# Allegro board LAY-38820_A.brd (continued)
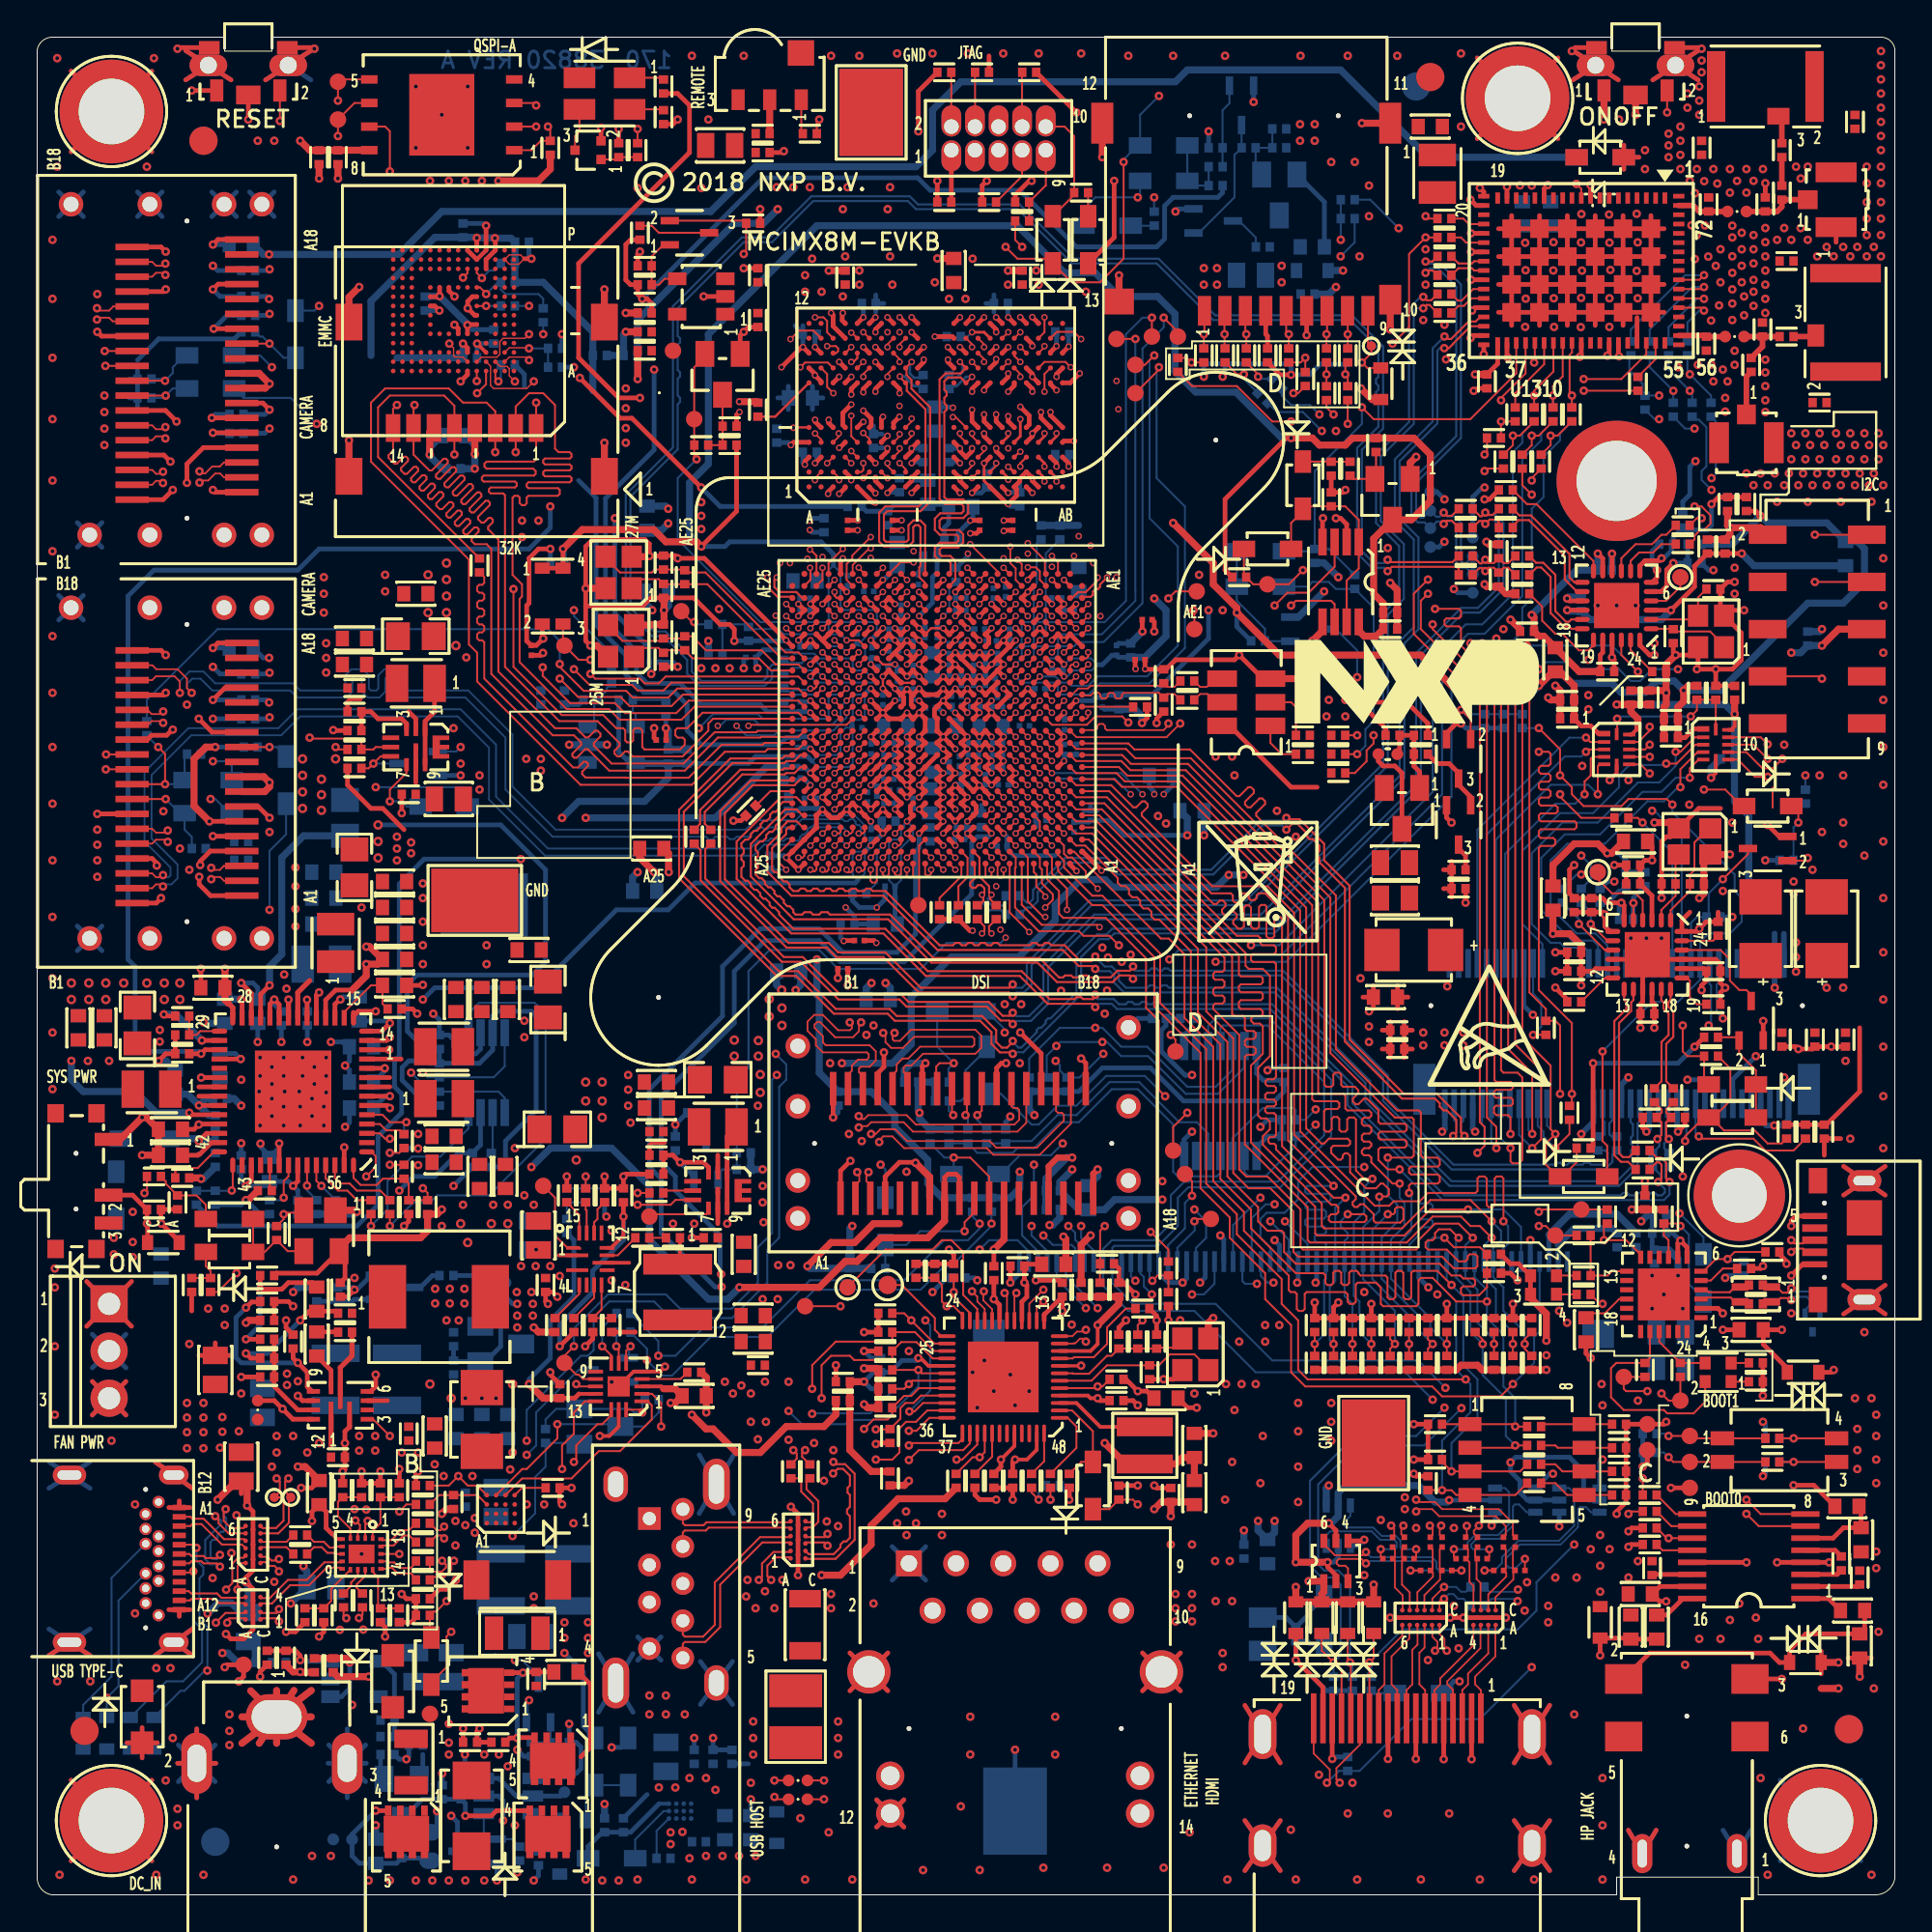
[diagram p0: board, top side]
## Footprints (pads in the part's own frame, mm; a bottom-side part is the same pattern mirrored in y, then rotated) (continued)
CON9_USBA_VER_7P32X25P7
  rect 1.219x1.219 hole 0.711: 1(0,0)
  round 1.219 hole 0.711: 2(0,-2.5) 3(0,-4.5) 4(0,-7) 5(1.8,-7.5) 6(1.8,-5.5) 7(1.8,-3.5) 8(1.8,-1.5) 9(1.8,0.5)
  oval 1.321x1.905 hole 0.813x1.397: S1(-1.81,1.85) S4(3.61,-8.85)
  oval 1.448x2.743 hole 0.813x2.108: S2(-1.81,-8.85) S3(3.61,1.85)
CON24_USB_TYPEC_RA_SMT_TH
  round 0.254 hole 0.66 unplated: (-6.775,-0.7) (0.675,-0.7)
  rect 0.305x0.711 smd: A1(-5.8,1.11) A2(-5.3,1.11) A3(-4.8,1.11) A4(-4.3,1.11) A5(-3.8,1.11) A6(-3.3,1.11) A7(-2.8,1.11) A8(-2.3,1.11) A9(-1.8,1.11) A10(-1.3,1.11) A11(-0.8,1.11) A12(-0.3,1.11)
  round 0.66 hole 0.406: B1(0,0) B2(-0.65,-0.7) B3(-1.45,-0.7) B4(-1.85,0) B5(-2.25,-0.7) B6(-2.65,0) B7(-3.45,0) B8(-3.85,-0.7) B9(-4.25,0) B10(-4.65,-0.7) B11(-5.45,-0.7) B12(-6.1,0)
  oval 1.016x1.6 hole 0.508x1.118: SH1(-7.55,0.81) SH2(1.45,0.81)
  oval 1.016x1.803 hole 0.508x1.295: SH3(-7.55,-4.8) SH4(1.45,-4.8)
CON_2RH_10_50
  oval 1.067x1.676 hole 0.787: 1(0,0) 2(0,1.27) 3(1.27,0) 4(1.27,1.27) 5(2.54,0) 6(2.54,1.27) 7(3.81,0) 8(3.81,1.27) 9(5.08,0) 10(5.08,1.27)
CON_3_UFL_R_SMT
  rect 1.016x1.067 smd: 1(0,1.524)
  rect 1.067x2.21 smd: 2(-1.476,0) 3(1.476,0)
CON_36_0P8_TH
  round 0.254 hole 1.549 unplated: (-8,0) (8,0)
  rect 0.356x1.803 smd: A1(-6.6,-2.95) A2(-5.8,-2.95) A3(-5,-2.95) A4(-4.2,-2.95) A5(-3.4,-2.95) A6(-2.6,-2.95) A7(-1.8,-2.95) A8(-1,-2.95) A9(-0.2,-2.95) A10(0.6,-2.95) A11(1.4,-2.95) A12(2.2,-2.95) A13(3,-2.95) A14(3.8,-2.95) A15(4.6,-2.95) A16(5.4,-2.95) A17(6.2,-2.95) A18(7,-2.95) B1(-7,2.95) B2(-6.2,2.95) B3(-5.4,2.95) B4(-4.6,2.95) B5(-3.8,2.95) B6(-3,2.95) B7(-2.2,2.95) B8(-1.4,2.95) B9(-0.6,2.95) B10(0.2,2.95) B11(1,2.95) B12(1.8,2.95) B13(2.6,2.95) B14(3.4,2.95) B15(4.2,2.95) B16(5,2.95) B17(5.8,2.95) B18(6.6,2.95)
  round 1.321 hole 0.813: T1(-8.9,-4.03) T2(-8.9,-2) T3(-8.9,2) T4(-8.9,5.24) T5(8.9,-4.03) T6(8.9,-2) T7(8.9,2) T8(8.9,6.24)
CON_75_0P5_22X9_RA
  rect 1.194x2.743 smd: (-10.35,2.825) (10.35,2.825)
  round 0.254 hole 1.092 unplated: (-10,-1.675)
  round 0.254 hole 1.6 unplated: (10,-1.675)
  rect 0.305x1.549 smd: 1(-9.25,3.6) 2(-9,-3.95) 3(-8.75,3.6) 4(-8.5,-3.95) 5(-8.25,3.6) 6(-8,-3.95) 7(-7.75,3.6) 8(-7.5,-3.95) 9(-7.25,3.6) 10(-7,-3.95) 11(-6.75,3.6) 12(-6.5,-3.95) 13(-6.25,3.6) 14(-6,-3.95) 15(-5.75,3.6) 16(-5.5,-3.95) 17(-5.25,3.6) 18(-5,-3.95) 19(-4.75,3.6) 20(-4.5,-3.95) 21(-4.25,3.6) 22(-4,-3.95) 23(-3.75,3.6) 32(-1.5,-3.95) 33(-1.25,3.6) 34(-1,-3.95) 35(-0.75,3.6) 36(-0.5,-3.95) 37(-0.25,3.6) 38(0,-3.95) 39(0.25,3.6) 40(0.5,-3.95) 41(0.75,3.6) 42(1,-3.95) 43(1.25,3.6) 44(1.5,-3.95) 45(1.75,3.6) 46(2,-3.95) 47(2.25,3.6) 48(2.5,-3.95) 49(2.75,3.6) 50(3,-3.95) 51(3.25,3.6) 52(3.5,-3.95) 53(3.75,3.6) 54(4,-3.95) 55(4.25,3.6) 56(4.5,-3.95) 57(4.75,3.6) 58(5,-3.95) 59(5.25,3.6) 60(5.5,-3.95) 61(5.75,3.6) 62(6,-3.95) 63(6.25,3.6) 64(6.5,-3.95) 65(6.75,3.6) 66(7,-3.95) 67(7.25,3.6) 68(7.5,-3.95) 69(7.75,3.6) 70(8,-3.95) 71(8.25,3.6) 72(8.5,-3.95) 73(8.75,3.6) 74(9,-3.95) 75(9.25,3.6)
CON_FPC_60F_0P5_SM_RA
  rect 1.702x1.524 smd: (-16.4,-2.15) (16.4,-2.15)
  rect 0.254x1.118 smd: 1(-14.75,1.75) 2(-14.25,1.75) 3(-13.75,1.75) 4(-13.25,1.75) 5(-12.75,1.75) 6(-12.25,1.75) 7(-11.75,1.75) 8(-11.25,1.75) 9(-10.75,1.75) 10(-10.25,1.75) 11(-9.75,1.75) 12(-9.25,1.75) 13(-8.75,1.75) 14(-8.25,1.75) 15(-7.75,1.75) 16(-7.25,1.75) 17(-6.75,1.75) 18(-6.25,1.75) 19(-5.75,1.75) 20(-5.25,1.75) 21(-4.75,1.75) 22(-4.25,1.75) 23(-3.75,1.75) 24(-3.25,1.75) 25(-2.75,1.75) 26(-2.25,1.75) 27(-1.75,1.75) 28(-1.25,1.75) 29(-0.75,1.75) 30(-0.25,1.75) 31(0.25,1.75) 32(0.75,1.75) 33(1.25,1.75) 34(1.75,1.75) 35(2.25,1.75) 36(2.75,1.75) 37(3.25,1.75) 38(3.75,1.75) 39(4.25,1.75) 40(4.75,1.75) 41(5.25,1.75) 42(5.75,1.75) 43(6.25,1.75) 44(6.75,1.75) 45(7.25,1.75) 46(7.75,1.75) 47(8.25,1.75) 48(8.75,1.75) 49(9.25,1.75) 50(9.75,1.75) 51(10.25,1.75) 52(10.75,1.75) 53(11.25,1.75) 54(11.75,1.75) 55(12.25,1.75) 56(12.75,1.75) 57(13.25,1.75) 58(13.75,1.75) 59(14.25,1.75) 60(14.75,1.75)
CON_RA_HDMI_19P_0P5_SM
  rect 0.305x2.692 smd: 1(4.5,5.375) 2(4,5.375) 3(3.5,5.375) 4(3,5.375) 5(2.5,5.375) 6(2,5.375) 7(1.5,5.375) 8(1,5.375) 9(0.5,5.375) 10(0,5.375) 11(-0.5,5.375) 12(-1,5.375) 13(-1.5,5.375) 14(-2,5.375) 15(-2.5,5.375) 16(-3,5.375) 17(-3.5,5.375) 18(-4,5.375) 19(-4.5,5.375)
  oval 1.499x2.692 hole 0.889x2.108: G1(7.25,4.525) G2(-7.25,4.525)
  oval 1.499x2.286 hole 0.889x1.676: G3(7.25,-1.475) G4(-7.25,-1.475)
CON_RJ45_10F_100_TH_RA
  round 0.254 hole 3.2 unplated: (-11.435,8.89) (-0.005,8.89)
  rect 1.397x1.397 hole 0.889: 1(0,0)
  round 1.397 hole 0.889: 2(-1.27,2.54) 3(-2.54,0) 4(-3.81,2.54) 5(-5.08,0) 6(-6.35,2.54) 7(-7.62,0) 8(-8.89,2.54) 9(-10.16,0) 10(-11.43,2.54)
  round 1.524 hole 1.016: 11(1.005,11.43) 12(1.005,13.46) 13(-12.445,11.43) 14(-12.445,13.46)
  round 2.337 hole 1.702: 15(-13.595,5.84) 16(2.155,5.84)
CON_USB_TYPE_B_SM
  round 0.254 hole 0.66 unplated: (-2,2.15) (2,2.15)
  rect 0.33x1.346 smd: 1(-1.3,2.675) 5(1.3,2.675)
  rect 0.406x1.346 smd: 2(-0.65,2.675) 3(0,2.675) 4(0.65,2.675)
  oval 1.143x1.829 hole 0.508x1.194: S1(-3.2,0) S2(3.2,0)
  rect 1.905x1.905 smd: S3(-1.2,0) S4(1.2,0)
  rect 1.372x0.991 smd: S5(-3.2,2.5) S6(3.2,2.5)
DFN3P3X3P3_8L_EX
  rect 0.559x0.356 smd: 1(-1.42,0.975) 2(-1.42,0.325) 3(-1.42,-0.325) 4(-1.42,-0.975)
  custom 0.57x0.57 smd: 5(0,0)
DFN15_0P4_2X3
  custom 0.051x0.051 smd: 1(-0.9,0.6)
  rect 1.194x0.203 smd: 2(-0.709,0.2) 3(-0.709,-0.6) 9(0.709,-0.2)
  rect 0.203x0.813 smd: 4(-0.6,-1.4) 5(-0.2,-1.4) 6(0.2,-1.4) 7(0.6,-1.4) 12(0.6,1.4) 13(0.2,1.4) 14(-0.2,1.4) 15(-0.6,1.4)
  rect 0.813x0.203 smd: 8(0.9,-0.6) 10(0.9,0.2) 11(0.9,0.6)
DHXQFN18_0P4_2X2P45
  custom 0.051x0.051 smd: 1(-0.85,0.6) 2(-0.85,0.2) 3(-0.85,-0.2) 4(-0.85,-0.6) 5(-0.8,-1.05) 6(-0.4,-1.05) 7(0,-1.05) 8(0.4,-1.05) 9(0.8,-1.05) 10(0.85,-0.6) 11(0.85,-0.2) 12(0.85,0.2) 13(0.85,0.6) 14(0.8,1.05) 15(0.4,1.05) 16(0,1.05) 17(-0.4,1.05) 18(-0.8,1.05)
  rect 1.016x1.397 smd: 19(0,0)
DIODE2_SOD523
  rect 0.61x0.813 smd: 1(-0.85,0) 2(0.85,0)
FBGA153_0P5_11P5X13
  round 0.254 smd: A1(-3.25,3.25) A2(-2.75,3.25) A3(-2.25,3.25) A4(-1.75,3.25) A5(-1.25,3.25) A6(-0.75,3.25) A7(-0.25,3.25) A8(0.25,3.25) A9(0.75,3.25) A10(1.25,3.25) A11(1.75,3.25) A12(2.25,3.25) A13(2.75,3.25) A14(3.25,3.25) B1(-3.25,2.75) B2(-2.75,2.75) B3(-2.25,2.75) B4(-1.75,2.75) B5(-1.25,2.75) B6(-0.75,2.75) B7(-0.25,2.75) B8(0.25,2.75) B9(0.75,2.75) B10(1.25,2.75) B11(1.75,2.75) B12(2.25,2.75) B13(2.75,2.75) B14(3.25,2.75) C1(-3.25,2.25) C2(-2.75,2.25) C3(-2.25,2.25) C4(-1.75,2.25) C5(-1.25,2.25) C6(-0.75,2.25) C7(-0.25,2.25) C8(0.25,2.25) C9(0.75,2.25) C10(1.25,2.25) C11(1.75,2.25) C12(2.25,2.25) C13(2.75,2.25) C14(3.25,2.25) D1(-3.25,1.75) D2(-2.75,1.75) D3(-2.25,1.75) D4(-1.75,1.75) D12(2.25,1.75) D13(2.75,1.75) D14(3.25,1.75) E1(-3.25,1.25) E2(-2.75,1.25) E3(-2.25,1.25) E5(-1.25,1.25) E6(-0.75,1.25) E7(-0.25,1.25) E8(0.25,1.25) E9(0.75,1.25) E10(1.25,1.25) E12(2.25,1.25) E13(2.75,1.25) E14(3.25,1.25) F1(-3.25,0.75) F2(-2.75,0.75) F3(-2.25,0.75) F5(-1.25,0.75) F10(1.25,0.75) F12(2.25,0.75) F13(2.75,0.75) F14(3.25,0.75) G1(-3.25,0.25) G2(-2.75,0.25) G3(-2.25,0.25) G5(-1.25,0.25) G10(1.25,0.25) G12(2.25,0.25) G13(2.75,0.25) G14(3.25,0.25) H1(-3.25,-0.25) H2(-2.75,-0.25) H3(-2.25,-0.25) H5(-1.25,-0.25) H10(1.25,-0.25) H12(2.25,-0.25) H13(2.75,-0.25) H14(3.25,-0.25) J1(-3.25,-0.75) J2(-2.75,-0.75) J3(-2.25,-0.75) J5(-1.25,-0.75) J10(1.25,-0.75) J12(2.25,-0.75) J13(2.75,-0.75) J14(3.25,-0.75) K1(-3.25,-1.25) K2(-2.75,-1.25) K3(-2.25,-1.25) K5(-1.25,-1.25) K6(-0.75,-1.25) K7(-0.25,-1.25) K8(0.25,-1.25) K9(0.75,-1.25) K10(1.25,-1.25) K12(2.25,-1.25) K13(2.75,-1.25) K14(3.25,-1.25) L1(-3.25,-1.75) L2(-2.75,-1.75) L3(-2.25,-1.75) L12(2.25,-1.75) L13(2.75,-1.75) L14(3.25,-1.75) M1(-3.25,-2.25) M2(-2.75,-2.25) M3(-2.25,-2.25) M4(-1.75,-2.25) M5(-1.25,-2.25) M6(-0.75,-2.25) M7(-0.25,-2.25) M8(0.25,-2.25) M9(0.75,-2.25) M10(1.25,-2.25) M11(1.75,-2.25) M12(2.25,-2.25) M13(2.75,-2.25) M14(3.25,-2.25) N1(-3.25,-2.75) N2(-2.75,-2.75) N3(-2.25,-2.75) N4(-1.75,-2.75) N5(-1.25,-2.75) N6(-0.75,-2.75) N7(-0.25,-2.75) N8(0.25,-2.75) N9(0.75,-2.75) N10(1.25,-2.75) N11(1.75,-2.75) N12(2.25,-2.75) N13(2.75,-2.75) N14(3.25,-2.75) P1(-3.25,-3.25) P2(-2.75,-3.25) P3(-2.25,-3.25) P4(-1.75,-3.25) P5(-1.25,-3.25) P6(-0.75,-3.25) P7(-0.25,-3.25) P8(0.25,-3.25) P9(0.75,-3.25) P10(1.25,-3.25) P11(1.75,-3.25) P12(2.25,-3.25) P13(2.75,-3.25) P14(3.25,-3.25)
FUSE_1P8_2P2X1P5
  rect 1.092x1.499 smd: 1(-0.896,0) 2(0.896,0)
FUSE_3P4X1P8
  rect 0.991x1.803 smd: 1(-1.25,0) 2(1.25,0)
HDR1X3_TH
  rect 2.007x2.007 hole 1.194: 1(0,0)
  round 2.007 hole 1.194: 2(0,-2.54) 3(0,-5.08)
HX2QFN16_0P4_2P7X2P7
  rect 0.813x0.203 smd: 1(-1.25,0.8) 2(-1.25,0.4) 3(-1.25,0) 4(-1.25,-0.4) 5(-1.25,-0.8) 9(1.25,-0.8) 10(1.25,-0.4) 11(1.25,0) 12(1.25,0.4) 13(1.25,0.8)
  rect 0.203x0.813 smd: 6(-0.4,-1.25) 7(0,-1.25) 8(0.4,-1.25) 14(0.4,1.25) 15(0,1.25) 16(-0.4,1.25)
  rect 1.194x1.092 smd: 17(0,0)
IND2_4P3X4P3
  rect 1.118x3.708 smd: 1(-1.5,0) 2(1.5,0)
IND4_CHOKE_0805
  rect 0.914x0.406 smd: 1(-0.85,-0.4) 2(0.85,-0.4) 3(0.85,0.4) 4(-0.85,0.4)
IND_IHLP
  rect 2.007x3.429 smd: 1(-2.794,0) 2(2.743,0)
IND_SPH2520
  rect 1.219x2.007 smd: 1(-1.01,0) 2(1.01,0)
IND_VLS3012_SM
  rect 1.016x3.023 smd: 1(-1,0) 2(1,0)
LED_0606
  rect 0.6x0.7 smd: 1(-0.7,0.5) 2(0.7,0.5) 3(-0.7,-0.5) 4(0.7,-0.5)
LED_DUAL_3025MM_SM
  rect 1.702x1.118 smd: 1(-1.35,-0.85) 2(1.35,-0.85) 3(-1.35,0.85) 4(1.35,0.85)
MH194-116T
  round 4.928 hole 2.946: 1(0,0)
MH244-166T
  round 6.477 hole 4.318: 1(0,0)
MODULE96_11P7X9
  rect 0.254x0.61 smd: 1(-4.5,-3.9) 2(-4,-3.9) 3(-3.5,-3.9) 4(-3,-3.9) 5(-2.5,-3.9) 6(-2,-3.9) 7(-1.5,-3.9) 8(-1,-3.9) 9(-0.5,-3.9) 10(0,-3.9) 11(0.5,-3.9) 12(1,-3.9) 13(1.5,-3.9) 14(2,-3.9) 15(2.5,-3.9) 16(3,-3.9) 17(3.5,-3.9) 18(4,-3.9) 19(4.5,-3.9) 37(4.5,3.9) 38(4,3.9) 39(3.5,3.9) 40(3,3.9) 41(2.5,3.9) 42(2,3.9) 43(1.5,3.9) 44(1,3.9) 45(0.5,3.9) 46(0,3.9) 47(-0.5,3.9) 48(-1,3.9) 49(-1.5,3.9) 50(-2,3.9) 51(-2.5,3.9) 52(-3,3.9) 53(-3.5,3.9) 54(-4,3.9) 55(-4.5,3.9)
  rect 0.61x0.254 smd: 20(5.25,-4) 21(5.25,-3.5) 22(5.25,-3) 23(5.25,-2.5) 24(5.25,-2) 25(5.25,-1.5) 26(5.25,-1) 27(5.25,-0.5) 28(5.25,0) 29(5.25,0.5) 30(5.25,1) 31(5.25,1.5) 32(5.25,2) 33(5.25,2.5) 34(5.25,3) 35(5.25,3.5) 36(5.25,4) 56(-5.25,4) 57(-5.25,3.5) 58(-5.25,3) 59(-5.25,2.5) 60(-5.25,2) 61(-5.25,1.5) 62(-5.25,1) 63(-5.25,0.5) 64(-5.25,0) 65(-5.25,-0.5) 66(-5.25,-1) 67(-5.25,-1.5) 68(-5.25,-2) 69(-5.25,-2.5) 70(-5.25,-3) 71(-5.25,-3.5) 72(-5.25,-4)
  rect 1x1 smd: 73(-3.75,-2.25) 74(-2.25,-2.25) 75(-0.75,-2.25) 76(0.75,-2.25) 77(2.25,-2.25) 78(3.75,-2.25) 79(3.75,-0.75) 80(3.75,0.75) 81(3.75,2.25) 82(2.25,2.25) 83(0.75,2.25) 84(-0.75,2.25) 85(-2.25,2.25) 86(-3.75,2.25) 87(-3.75,0.75) 88(-3.75,-0.75) 89(-2.25,-0.75) 90(-0.75,-0.75) 91(0.75,-0.75) 92(2.25,-0.75) 93(2.25,0.75) 94(0.75,0.75) 95(-0.75,0.75) 96(-2.25,0.75)
OSC6_1P27_5P2X3P4
  rect 1.6x0.889 smd: 1(-1.3,1.27) 2(-1.3,0) 3(-1.3,-1.27) 4(1.3,-1.27) 5(1.3,0) 6(1.3,1.27)
QFN12_0P5_2X3MM_EP
  rect 0.711x0.254 smd: 1(-0.95,0.5) 2(-0.95,0) 3(-0.95,-0.5) 7(0.95,-0.5) 8(0.95,0) 9(0.95,0.5)
  rect 0.254x0.914 smd: 4(-0.5,-1.35) 5(0,-1.35) 6(0.5,-1.35)
  custom 0.225x0.225 smd: 10(0,1.35)
  rect 0.406x0.254 smd: 11(0,0)
QFN12_0P5_3P1X2P1
  rect 0.254x1.499 smd: 1(0.5,0.55) 2(-0.5,0.55) 7(0,-0.55)
  rect 0.711x0.254 smd: 3(-1.45,0.75) 4(-1.45,0.25) 5(-1.45,-0.25) 6(-1.45,-0.75) 9(1.45,-0.75) 10(1.45,-0.25) 11(1.45,0.25) 12(1.45,0.75)
  rect 0.254x0.711 smd: 8(0.5,-0.95)
QFN24_0P5_4X4_EP
  rect 0.711x0.279 smd: 1(-2,1.25) 2(-2,0.75) 3(-2,0.25) 4(-2,-0.25) 5(-2,-0.75) 6(-2,-1.25) 13(2,-1.25) 14(2,-0.75) 15(2,-0.25) 16(2,0.25) 17(2,0.75) 18(2,1.25)
  rect 0.279x0.711 smd: 7(-1.25,-2) 8(-0.75,-2) 9(-0.25,-2) 10(0.25,-2) 11(0.75,-2) 12(1.25,-2) 19(1.25,2) 20(0.75,2) 21(0.25,2) 22(-0.25,2) 23(-0.75,2) 24(-1.25,2)
  rect 2.794x2.794 smd: 25(0,0)
QFN24_0P5_4X4_EP2P2
  oval 0.813x0.279 smd: 1(-1.86,1.25) 2(-1.86,0.75) 3(-1.86,0.25) 4(-1.86,-0.25) 5(-1.86,-0.75) 6(-1.86,-1.25) 13(1.86,-1.25) 14(1.86,-0.75) 15(1.86,-0.25) 16(1.86,0.25) 17(1.86,0.75) 18(1.86,1.25)
  oval 0.279x0.813 smd: 7(-1.25,-1.86) 8(-0.75,-1.86) 9(-0.25,-1.86) 10(0.25,-1.86) 11(0.75,-1.86) 12(1.25,-1.86) 19(1.25,1.86) 20(0.75,1.86) 21(0.25,1.86) 22(-0.25,1.86) 23(-0.75,1.86) 24(-1.25,1.86)
  rect 2.438x2.438 smd: 25(0,0)
QFN48_0P4_6X6MM_EPAD
  oval 0.965x0.203 smd: 1(-3.038,2.2) 2(-3.038,1.8) 3(-3.038,1.4) 4(-3.038,1) 5(-3.038,0.6) 6(-3.038,0.2) 7(-3.038,-0.2) 8(-3.038,-0.6) 9(-3.038,-1) 10(-3.038,-1.4) 11(-3.038,-1.8) 12(-3.038,-2.2) 25(3.038,-2.2) 26(3.038,-1.8) 27(3.038,-1.4) 28(3.038,-1) 29(3.038,-0.6) 30(3.038,-0.2) 31(3.038,0.2) 32(3.038,0.6) 33(3.038,1) 34(3.038,1.4) 35(3.038,1.8) 36(3.038,2.2)
  oval 0.203x0.965 smd: 13(-2.2,-3.038) 14(-1.8,-3.038) 15(-1.4,-3.038) 16(-1,-3.038) 17(-0.6,-3.038) 18(-0.2,-3.038) 19(0.2,-3.038) 20(0.6,-3.038) 21(1,-3.038) 22(1.4,-3.038) 23(1.8,-3.038) 24(2.2,-3.038) 37(2.2,3.038) 38(1.8,3.038) 39(1.4,3.038) 40(1,3.038) 41(0.6,3.038) 42(0.2,3.038) 43(-0.2,3.038) 44(-0.6,3.038) 45(-1,3.038) 46(-1.4,3.038) 47(-1.8,3.038) 48(-2.2,3.038)
  rect 3.81x3.81 smd: 49(0,0)
QFN56_0P5_8X8_EP4P1X4P4
  oval 0.838x0.279 smd: 1(-3.969,3.25) 14(-3.969,-3.25) 29(3.969,-3.25) 42(3.969,3.25)
  rect 0.838x0.279 smd: 2(-3.969,2.75) 3(-3.969,2.25) 4(-3.969,1.75) 5(-3.969,1.25) 6(-3.969,0.75) 7(-3.969,0.25) 8(-3.969,-0.25) 9(-3.969,-0.75) 10(-3.969,-1.25) 11(-3.969,-1.75) 12(-3.969,-2.25) 13(-3.969,-2.75) 30(3.969,-2.75) 31(3.969,-2.25) 32(3.969,-1.75) 33(3.969,-1.25) 34(3.969,-0.75) 35(3.969,-0.25) 36(3.969,0.25) 37(3.969,0.75) 38(3.969,1.25) 39(3.969,1.75) 40(3.969,2.25) 41(3.969,2.75)
  oval 0.279x0.838 smd: 15(-3.25,-3.969) 28(3.25,-3.969) 43(3.25,3.969) 56(-3.25,3.969)
  rect 0.279x0.838 smd: 16(-2.75,-3.969) 17(-2.25,-3.969) 18(-1.75,-3.969) 19(-1.25,-3.969) 20(-0.75,-3.969) 21(-0.25,-3.969) 22(0.25,-3.969) 23(0.75,-3.969) 24(1.25,-3.969) 25(1.75,-3.969) 26(2.25,-3.969) 27(2.75,-3.969) 44(2.75,3.969) 45(2.25,3.969) 46(1.75,3.969) 47(1.25,3.969) 48(0.75,3.969) 49(0.25,3.969) 50(-0.25,3.969) 51(-0.75,3.969) 52(-1.25,3.969) 53(-1.75,3.969) 54(-2.25,3.969) 55(-2.75,3.969)
  rect 4.115x4.42 smd: 57(0,0)
RC0402_25
  round 0.635 smd: 1(-0.508,0) 2(0.508,0)
RCVR_SM_IRM_V5
  rect 0.711x1.118 smd: 1(1.7,-1.6) 2(0,-1.6) 3(-1.7,-1.6)
  rect 1.422x1.372 smd: 4(1.68,0.916)
SH0805
  rect 1.295x1.499 smd: 1(-0.965,0) 2(0.965,0)
SMA
  rect 2.032x2.032 smd: A(1.905,0) C(-1.905,0)
SOD123W
  rect 1.219x1.219 smd: A(1.4,0) C(-1.4,0)
SOD323
  rect 0.889x1.219 smd: A(0,1.27) C(0,-1.27)
SOD523
  rect 0.61x0.813 smd: A(0.85,0) C(-0.85,0)
SOD-128
  rect 1.397x2.108 smd: A(-2.2,0) C(2.2,0)
SOD-923
  rect 0.305x0.406 smd: A(-0.45,0) C(0.45,0)
SOT23-6
  rect 0.61x1.118 smd: 1(-0.95,-1.321) 2(0,-1.321) 3(0.95,-1.321) 4(0.95,1.321) 5(0,1.321) 6(-0.95,1.321)
SOT323_3
  rect 0.406x0.991 smd: 1(0.65,-1.06) 2(-0.65,-1.06) 3(0,1.06)
SOT-23
  rect 1.016x1.397 smd: 1(-0.95,-1.1) 2(0.95,-1.1) 3(0,1.1)
SOT-23-5
  rect 0.686x0.991 smd: 1(-0.953,-1.295) 2(0,-1.295) 3(0.953,-1.295) 4(0.953,1.295) 5(-0.953,1.295)
SOT-363_0P65_SMT
  rect 0.762x0.381 smd: 1(-1.085,0.65) 2(-1.085,0) 3(-1.085,-0.65) 4(1.085,-0.65) 5(1.085,0) 6(1.085,0.65)
SOT-723
  rect 0.279x0.533 smd: 1(-0.4,-0.49) 2(0.4,-0.49)
  rect 0.356x0.508 smd: 3(0,0.49)
SOT_143
  rect 1.219x1.397 smd: 1(-0.75,-1.1)
  rect 1.016x1.397 smd: 2(0.95,-1.1) 3(0.95,1.1) 4(-0.95,1.1)
SOT_523
  rect 0.508x0.508 smd: 1(-0.5,-0.7) 2(0.5,-0.7) 3(0,0.7)
SPACER_139T
  round 5.588 hole 3.531: 1(0,0)
SW2_3P4_TACT_SM_NSP
  rect 0.711x1.194 smd: 1(1.7,1.36) 2(-1.7,1.36)
  rect 1.321x1.016 smd: 3(0,1.6)
  rect 1.118x0.711 smd: 4(-2.1,-0.95) 5(2.1,-0.95)
  oval 2.032x1.168 hole 0.914: 6(-2.15,0) 7(2.15,0)
SW_DIP2_SM
  rect 0.762x1.27 smd: 1(-0.635,-3.073) 2(0.635,-3.073) 3(0.635,3.073) 4(-0.635,3.073)
SW_SPDT_RA
  rect 0.991x0.889 smd: (-3.65,1.1) (-3.65,-1.1) (3.65,1.1) (3.65,-1.1)
  round 0.254 hole 0.889 unplated: (-1.5,0) (1.5,0)
  rect 0.711x1.499 smd: 1(-2.25,1.75) 2(0.75,1.75) 3(2.25,1.75)
TEST_PIN_TP107
  rect 4.699x3.429 smd: 1(0,0)
TESTPOINT_35MIL
  round 0.889 smd: 1(0,0)
TESTPOINT_39MIL
  round 0.991 smd: 1(0,0)
TPAD_020
  round 0.508 smd: 1(0,0)
TSSOP8_A
  rect 1.448x0.457 smd: 1(-2.15,0.975) 2(-2.15,0.325) 3(-2.15,-0.325) 4(-2.15,-0.975) 5(2.15,-0.975) 6(2.15,-0.325) 7(2.15,0.325) 8(2.15,0.975)
TSSOP14
  rect 1.524x0.457 smd: 1(-2.959,1.951) 2(-2.959,1.3) 3(-2.959,0.65) 4(-2.959,0) 5(-2.959,-0.65) 6(-2.959,-1.3) 7(-2.959,-1.951) 8(2.959,-1.951) 9(2.959,-1.3) 10(2.959,-0.65) 11(2.959,0) 12(2.959,0.65) 13(2.959,1.3) 14(2.959,1.951)
TSSOP16
  rect 1.524x0.305 smd: 1(-3.048,2.276) 2(-3.048,1.626) 3(-3.048,0.975) 4(-3.048,0.325) 5(-3.048,-0.325) 6(-3.048,-0.975) 7(-3.048,-1.626) 8(-3.048,-2.276) 9(3.048,-2.276) 10(3.048,-1.626) 11(3.048,-0.975) 12(3.048,-0.325) 13(3.048,0.325) 14(3.048,0.975) 15(3.048,1.626) 16(3.048,2.276)
unnamed#2
  round 1.524 smd: (0,0)
WLCSP10_0P4_1P2X1P6MM_SMDP
  round 0.254 smd: A1(0.4,0.6) A2(0.4,0.2) A3(0.4,-0.2) A4(0.4,-0.6) B1(0,0.4) B2(0,-0.4) C1(-0.4,0.6) C2(-0.4,0.2) C3(-0.4,-0.2) C4(-0.4,-0.6)
WLCSP12_0P4_1P38X1P68MM_SMDP
  round 0.254 smd: A1(-0.4,0.6) A2(0,0.6) A3(0.4,0.6) B1(-0.4,0.2) B2(0,0.2) B3(0.4,0.2) C1(-0.4,-0.2) C2(0,-0.2) C3(0.4,-0.2) D1(-0.4,-0.6) D2(0,-0.6) D3(0.4,-0.6)
WLCSP15_0P4_2P42X1P22_SMDP
  round 0.254 smd: A1(-1,0.4) A2(-0.6,0.4) A3(-0.2,0.4) A4(0.2,0.4) A5(0.6,0.4) A6(1,0.4) B1(-0.8,0) B2(0,0) B3(0.8,0) C1(-1,-0.4) C2(-0.6,-0.4) C3(-0.2,-0.4) C4(0.2,-0.4) C5(0.6,-0.4) C6(1,-0.4)
WPDFN8_1P27_8X6MM
  rect 0.889x0.457 smd: 1(-3.901,1.905) 2(-3.901,0.635) 3(-3.901,-0.635) 4(-3.901,-1.905) 5(3.901,-1.905) 6(3.901,-0.635) 7(3.901,0.635) 8(3.901,1.905)
  rect 3.505x4.394 smd: 9(0,0)
XQFN12_0P4_1P8X2P1
  rect 0.66x0.305 smd: 1(-0.675,0.85)
  rect 0.66x0.203 smd: 2(-0.675,0.4) 3(-0.675,0) 4(-0.675,-0.4) 5(-0.675,-0.8) 7(0.675,-0.8) 8(0.675,-0.4) 9(0.675,0) 10(0.675,0.4) 11(0.675,0.8)
  rect 0.203x0.66 smd: 6(0,-0.825) 12(0,0.825)
XTAL4_2P6X2P1MM_SM
  rect 1.194x1.092 smd: 1(-0.85,-0.7) 2(0.85,-0.7) 3(0.85,0.7) 4(-0.85,0.7)
XTAL_3P4X1P7_SM
  rect 0.61x0.813 smd: 1(-1.505,-0.557) 2(1.505,-0.557) 3(1.505,0.557) 4(-1.505,0.557)

## Nets
GND: BH1401.1(NC_1) BH1402.1(NC_1) BH1403.1(NC_1) BH1404.1(NC_1) BH1405.1 BH1406.1 C1.2 C2.2 C3.2 C4.2 C5.2 C6.2 C7.2 C8.2 C9.2 C10.2 C11.2 C12.2 C13.2 C14.2 C15.2 C16.2 C17.2 C18.2 C19.2 C20.2 C21.2 C22.2 C23.2 C24.2 C27.2 C28.2 C29.2 C31.2 C32.2 C33.2 C34.2 C35.2 C36.2 C101.2 C102.2 C103.2 C104.2 C105.2 C106.2 C107.2 C108.2 C109.2 C110.2 C111.2 C112.2 C113.2 C114.2 C115.2 C116.2 C117.2 C118.2 C119.2 C120.2 C121.2 C122.2 C123.2 C124.2 C125.2 C126.2 C127.2 C128.2 C129.2 C130.2 C131.2 C132.2 C133.2 C134.2 C135.2 C136.2 C137.2 C138.2 C139.2 C140.2 C144.2 C145.2 C146.1 C147.2 C148.2 C149.2 C150.2 C151.2 C152.2 C153.2 C154.2 C155.2 C156.2 C157.2 C158.2 C159.2 C160.2 C161.2 C162.2 C163.2 C164.2 C165.2 C166.2 C167.2 C168.2 C169.2 C170.2 C171.2 C172.2 C173.2 C174.2 C175.2 C176.2 C177.2 C178.2 C179.2 C180.2 C181.2 C182.2 C183.2 C184.2 C185.2 C186.2 C187.2 C188.2 C189.2 C190.2 C191.2 C192.2 C193.2 C194.2 C195.2 C196.2 C197.2 C198.2 C199.2 C201.2 C202.2 C203.2 C204.2 C205.2 C206.2 C207.2 C208.2 C209.2 C210.2 C211.2 C212.2 C213.2 C214.2 C215.2 C216.2 C217.2 C219.2 C401.2 C402.2 C403.2 C404.2 C405.2 C406.2 C407.2 C501.2 C601.2 C602.2 C603.2 C604.2 C605.2 C606.2 C607.2 C610.2 C611.2 C613.2 C614.2 C617.2 C618.2 C701.2 C702.2 C703.2 C704.2 C706.2 C707.2 C708.2 C709.2 C710.2 C711.2 C713.2 C715.2 C716.2 C717.2 C718.2 C719.2 C720.2 C721.2 C722.2 C723.2 C724.2 C725.2 C727.2 C728.2 C729.1 C730.2 C731.2 C732.2 C733.2 C734.2 C735.2 C736.1 C737.1 C738.2 C739.2 C740.1 C741.2 C742.2 C743.1 C744.2 C745.2 C746.1 C747.2 C748.1 C749.2 C750.1 C751.2 C752.2 C753.2 C754.2 C755.1 C756.1 C757.2 C758.2 C759.2 C760.2 C761.2 C762.1 C763.1 C764.2 C765.1 C766.2 C768.2 C769.2 C770.2 C771.2 C772.2 C773.2 C774.1 C775.2 C776.2 C777.2 C778.2 C779.2 C780.2 C788.2 C790.2 C791.2 C792.2 C793.2 C794.2 C795.2 C797.2 C798.2 C801.2 C802.2 C803.2 C804.2 C901.2 C902.2 C903.2 C904.2 C909.2 C910.2 C911.2 C912.2 C913.2 C914.1 C915.2 C916.1 C923.2 C924.2 C925.2 C926.2 C927.2 C928.2 C930.2 C932.2 C933.2 C934.2 C1001.2 C1002.2 C1101.2 C1102.2 C1103.1 C1104.2 C1110.2 C1111.1 C1201.2 C1202.2 C1203.2 C1204.2 C1205.2 C1206.2 C1207.2 C1208.2 C1209.2 C1211.2 C1212.2 C1213.2 C1214.2 C1216.1 C1217.2 C1218.2 C1219.2 C1220.2 C1221.2 C1307.2 C1308.2 C1309.2 C1310.2 C1315.2 C1316.2 C1317.2 C1318.2 C1319.2 C1320.2 C1321.2 C1322.2 C1323.2 C1324.2 C1401.2 C1402.2 C1403.2 C1410.2 C1411.2 C1412.2 C1413.2 C1414.2 C1415.2 C1416.2 C1417.2 C1418.2 C1419.2 C1422.2 C1423.2 C1424.2 C1425.2 C1426.2 C1429.2 C1430.2 C1431.2 C1432.2 C1433.2 C1434.2 C1435.2 C1436.2 C1437.2 C1438.2 C1439.2 C1440.2 C1509.2 C1510.2 C1511.2 C1512.2 C1513.2 C1514.2 C1515.2 C1516.2 C1517.2 C1518.2 C1519.2 C1520.2 C1521.2 C1522.2 C1523.2 C1524.2 C1525.2 C1526.2 C1527.2 C1528.2 C1529.2 C1530.2 C1601.2 C1602.2 C1603.2 C1604.2 C1605.2 C1606.2 C1608.2 C1609.2 C1610.2 C1611.2 C1701.2 C1703.2 C1704.2 C1705.2 C1706.2 C1707.2 C1801.2 C1802.2 D706.A D908.A D909.A D910.A D1601.2 D1602.A D1603.A D1604.A D1605.A D1606.A D1607.A D1701.3 E1301.1 E1301.2(GND_2) E1302.1 E1302.2(GND_2) J401.3 J401.5 J601.P6(VSS) J601.S1 J601.S2 J601.S3 J601.S4 J801.2 J802.1 J802.3 J901.A1 J901.A12 J901.B1 J901.B12 J901.SH1 J901.SH2 J901.SH3 J901.SH4 J902.2 J902.3 J903.4 J903.7 J903.S1 J903.S2 J903.S3 J903.S4 J1001.2 J1001.5 J1001.8 J1001.11 J1001.17 J1001.G1 J1001.G2 J1001.G3 J1001.G4 J1101.1 J1101.4 J1201.1 J1201.12 J1301.2 J1301.3(GND2) J1302.2 J1302.3(GND2) J1401.1 J1401.7 J1401.18 J1401.33 J1401.39 J1401.45 J1401.51 J1401.57 J1401.63 J1401.69 J1401.75 J1501.A1 J1501.A4 J1501.A7 J1501.A12 J1501.A15 J1501.A18 J1501.B1 J1501.B4 J1501.B7 J1501.B12 J1501.B15 J1501.B18 J1501.T1 J1501.T2 J1501.T3 J1501.T4 J1501.T5 J1501.T6 J1501.T7 J1501.T8 J1502.A1 J1502.A4 J1502.A7 J1502.A12 J1502.A15 J1502.A18 J1502.B1 J1502.B4 J1502.B7 J1502.B12 J1502.B15 J1502.B18 J1502.T1 J1502.T2 J1502.T3 J1502.T4 J1502.T5 J1502.T6 J1502.T7 J1502.T8 J1503.A1 J1503.A4 J1503.A7 J1503.A12 J1503.A15 J1503.A18 J1503.B1 J1503.B4 J1503.B7 J1503.B12 J1503.B15 J1503.B18 J1503.T1 J1503.T2 J1503.T3 J1503.T4 J1503.T5 J1503.T6 J1503.T7 J1503.T8 J1601.6(VSS) J1601.10 J1601.11 J1601.12 J1601.13 J1701.5 J1701.S1 J1701.S2 J1701.S3 J1701.S4 J1701.S5 J1701.S6 J1801.5 J1801.7 J1801.17 J1801.28 J1801.30 J1801.32 J1801.38 J1801.40 J1801.42 J1801.45 J1801.49 J1801.60 L1302.2 L1303.2 L1304.2 L1305.2 Q702.1(SOURCE) Q703.1(SOURCE) Q903.1(SOURCE) Q905.1(SOURCE) Q907.1(SOURCE) Q1001.1 Q1001.4(S2) Q1002.1 Q1002.4(S2) Q1003.1 Q1003.4(S2) Q1004.1 Q1004.4(S2) Q1301.1(SOURCE) Q1401.1(SOURCE) Q1403.1(SOURCE) Q1404.1(SOURCE) Q1405.1(SOURCE) Q1603.1(SOURCE) Q1604.1(SOURCE) Q1605.2(EMITTER) R205.1 R208.1 R210.2 R406.2 R407.2 R408.2 R410.2 R417.2 R501.2 R502.2 R503.2 R504.2 R505.2 R506.2 R512.2 R513.2 R707.2 R709.2 R711.2 R717.2 R720.1 R722.2 R746.2 R747.2 R753.2 R759.2 R763.2 R825.1 R826.1 R827.1 R828.1 R829.1 R830.1 R831.1 R832.1 R833.1 R834.1 R835.1 R836.1 R837.1 R838.1 R839.1 R840.1 R842.2 R844.2 R845.1 R846.2 R904.2 R909.2 R910.2 R911.2 R912.2 R916.2 R925.2 R933.2 R936.2 R937.2 R938.1 R939.2 R949.2 R1002.2 R1108.2 R1208.1 R1211.2 R1213.2 R1214.2 R1216.2 R1217.2 R1218.2 R1219.2 R1220.2 R1221.2 R1226.2 R1307.1 R1307.2 R1308.1 R1308.2 R1310.1 R1310.2 R1311.1 R1311.2 R1324.2 R1325.2 R1328.1 R1329.1 R1330.1 R1340.2 R1341.2 R1345.1 R1405.1 R1411.1 R1412.1 R1427.2 R1428.2 R1451.2 R1455.1 R1458.2 R1604.2 R1605.2 R1616.2 SW701.1(NO) SW1701.1 SW1701.3 SW1701.4 SW1701.5 SW1701.6 SW1701.7 SW1702.1 SW1702.3 SW1702.4 SW1702.5 SW1702.6 SW1702.7 TP1402.1(PIN1) TP1403.1(PIN1) TP1404.1(PIN1) TP1405.1(PIN1) TP1406.1(PIN1) TP1407.1(PIN1) TP1704.1(TP) TP1713.1(TP) TVS902.1 TVS903.1 TVS904.1 TVS905.1 TVS907.1 TVS1002.1 TVS1003.1 TVS1004.1 TVS1005.1 TVS1101.1 TVS1103.1 TVS1601.1 TVS1602.1 TVS1701.1 U101.A2 U101.A24 U101.AA5 U101.AA16 U101.AA21 U101.AB2 U101.AB9 U101.AB11 U101.AB18 U101.AB24 U101.AC4 U101.AC19 U101.AC22 U101.AD1 U101.AD7 U101.AD9 U101.AD11 U101.AD13 U101.AD16 U101.AD25 U101.AE2 U101.AE5 U101.AE21 U101.AE24 U101.B1 U101.B25 U101.C8 U101.C10 U101.C13 U101.C15 U101.C24 U101.D10 U101.D13 U101.D15 U101.D23 U101.E4 U101.E10 U101.E13 U101.E14 U101.E16 U101.E19 U101.E20 U101.E21 U101.E22 U101.E23 U101.F10 U101.F13 U101.F14 U101.F16 U101.F20 U101.G9 U101.G10 U101.G13 U101.G17 U101.G18 U101.G24 U101.H8 U101.H9 U101.H10 U101.H11 U101.H12 U101.H13 U101.H17 U101.H18 U101.J3 U101.J8 U101.J11 U101.J12 U101.J13 U101.J14 U101.J17 U101.J18 U101.J19 U101.K8 U101.K11 U101.K13 U101.K17 U101.K18 U101.K23 U101.L8 U101.L11 U101.L14 U101.L17 U101.M8 U101.M11 U101.M14 U101.M17 U101.N3 U101.N12 U101.N14 U101.N15 U101.N16 U101.N17 U101.N18 U101.P6 U101.P8 U101.P11 U101.P14 U101.P17 U101.P18 U101.P23 U101.R7 U101.T3 U101.T4 U101.T9 U101.T10 U101.T11 U101.T12 U101.T13 U101.T14 U101.U8 U101.U9 U101.U15 U101.U16 U101.U18 U101.V4 U101.V8 U101.V16 U101.V17 U101.V23 U101.W1 U101.W7 U101.W8 U101.W9 U101.W10 U101.W11 U101.W12 U101.W13 U101.W14 U101.W15 U101.W16 U101.W22(VSSA_XTAL_27M) U101.W25 U101.Y2 U101.Y3 U101.Y4 U101.Y5 U101.Y7 U101.Y9 U101.Y11 U101.Y13 U101.Y15 U101.Y17 U101.Y19 U101.Y21 U101.Y22 U101.Y23 U101.Y24 U201.A3 U201.A10 U201.AB3 U201.AB5 U201.AB8 U201.AB10 U201.C1 U201.C5 U201.C8 U201.C12 U201.D2 U201.D4 U201.D9 U201.D11 U201.E1 U201.E5 U201.E8 U201.E12 U201.G1 U201.G3 U201.G5 U201.G8 U201.G10 U201.G12 U201.J1 U201.J3 U201.J10 U201.J12 U201.K2 U201.K4 U201.K9 U201.K11 U201.N2 U201.N4 U201.N9 U201.N11 U201.P1 U201.P3 U201.P10 U201.P12 U201.T1 U201.T3 U201.T5 U201.T8 U201.T10 U201.T12 U201.V1 U201.V5 U201.V8 U201.V12 U201.W2 U201.W4 U201.W9 U201.W11 U201.Y1 U201.Y5 U201.Y8(VSS_Y8) U201.Y12 U401.1 U601.A6 U601.C4 U601.E7 U601.G5 U601.H10 U601.J5 U601.K8 U601.N2 U601.N5 U601.P4 U601.P6 U603.4 U603.9 U701.2 U701.10 U702.14 U702.15 U702.32 U702.48 U702.57 U703.2 U704.1 U705.10 U706.3 U706.8 U706.12 U707.10 U801.1 U802.2 U802.4 U901.19 U902.B1 U902.B2 U902.B3(GND_CH3) U903.B1 U903.B2(GND_CH2) U905.B3 U905.C3 U905.D3 U906.B3 U906.C3 U906.D3 U907.5 U907.17 U908.B1 U908.B2 U908.B3(GND_CH3) U909.2(V-) U910.2(VS-) U1001.B1 U1001.B2 U1001.B3(GND_CH3) U1002.B1 U1002.B2(GND_CH2) U1101.4 U1101.13 U1201.49 U1301.1 U1301.9 U1301.14 U1301.18 U1301.20 U1301.21 U1301.24 U1301.26 U1301.29 U1301.32 U1301.35 U1301.36 U1301.38 U1301.46 U1301.49 U1301.50 U1301.52 U1301.55 U1301.56 U1301.58 U1301.59 U1301.64 U1301.68 U1301.69 U1301.70 U1301.72 U1301.73 U1301.74 U1301.75 U1301.76 U1301.77 U1301.78 U1301.79 U1301.80 U1301.81 U1301.82 U1301.83 U1301.84 U1301.85 U1301.86 U1301.87 U1301.88 U1301.89 U1301.90 U1301.91 U1301.92 U1301.93 U1301.94 U1301.95 U1301.96 U1302.6 U1302.10 U1302.15 U1302.21 U1302.24 U1302.25 U1401.6 U1401.10 U1401.15 U1401.21 U1401.24 U1401.25 U1402.6 U1403.6 U1501.7 U1502.2 U1601.2 U1602.3 U1602.4 U1701.2 U1701.25 Y401.2 Y401.4 Y402.2 Y402.4 Y403.2 Y501.3 Y1201.2 Y1201.4 Y1301.2 Y1301.4 Y1401.2 Y1401.4